# Altium PCB BMS_Slave_back.PcbDoc (part 2 of 2)
Units mil, origin at the board's own origin, x right, y up, seen from the top; angles counter-clockwise.
Board outline 10980 x 2910 mil, 5 copper layers (Top Layer, Mid-Layer 1, Layer 1, Layer 2, Bottom Layer), stack 37.756 mil thick; 359 components, 245 nets, 991 pads, 116 vias.
Unrouted connection lines stored in the file: 231.
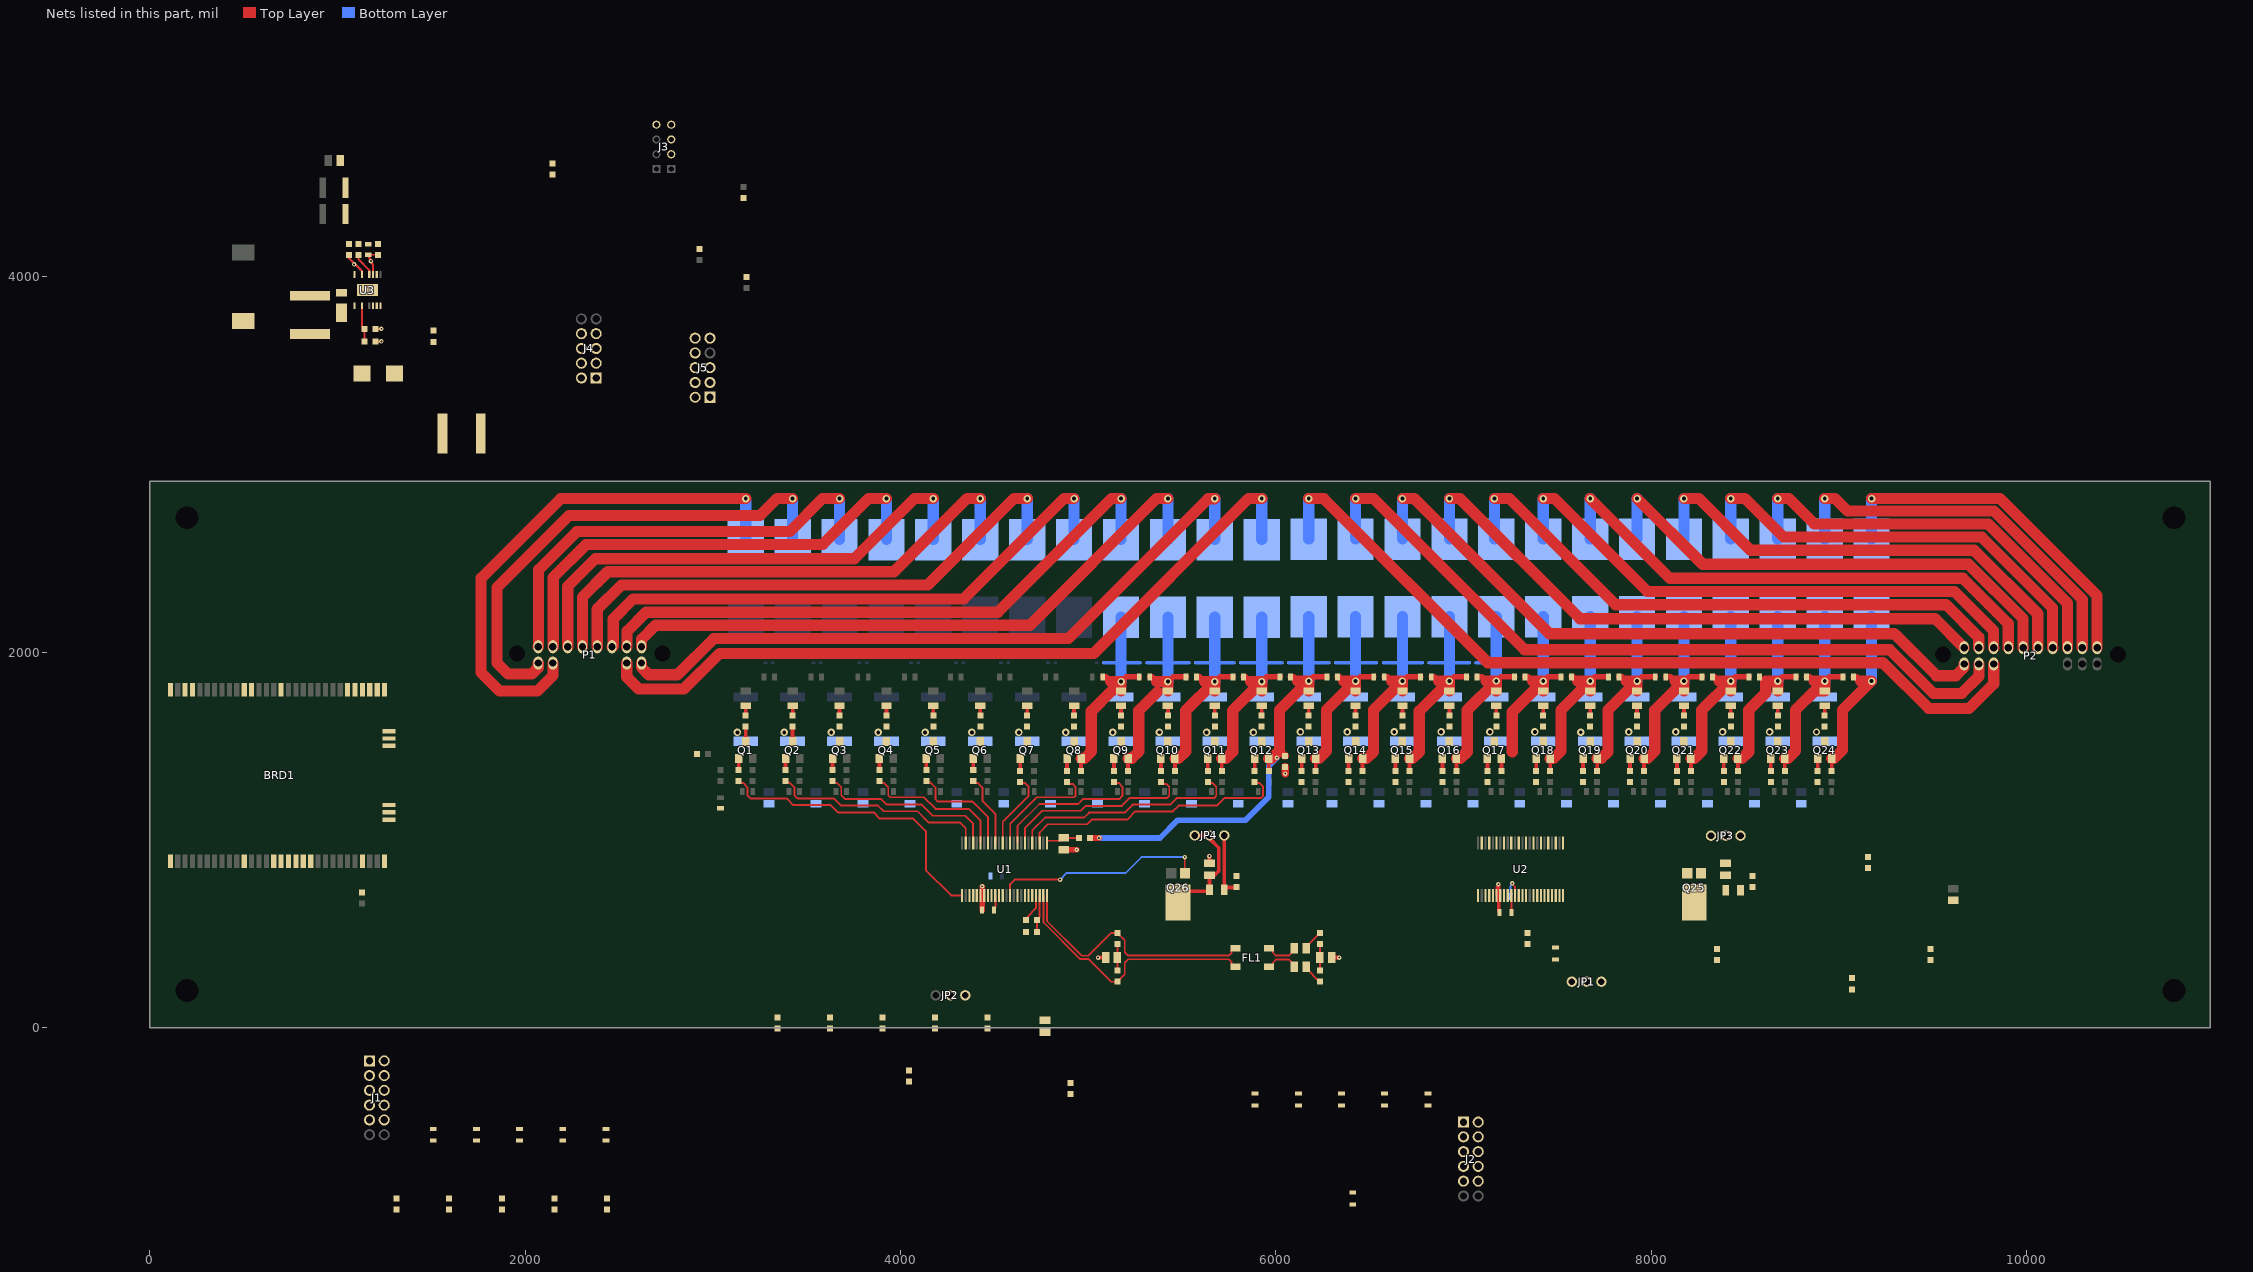
[diagram p4: the nets of this part, all layers, seen from the top]

## Via types
v1: diameter 39/40/40 (per signal layer), hole 20, Top Layer to Bottom Layer, 72 vias
v2: diameter 24, hole 10, Top Layer to Bottom Layer, 42 vias
v3: diameter 39/39/39 (per signal layer), hole 20, Top Layer to Bottom Layer, 1 vias
v4: diameter 39, hole 20, Top Layer to Bottom Layer, 1 vias

## Nets (pads, with @x,y where several pads share a name; then routed paths per layer and width w, separated by ;. In a path a pad name is that pad's centre, name@x,y a point inside that pad or via, vN(x,y) a via of type N, cw(c..) or ccw(c..) an arc to the next point about the centre after c; other vN are vias at no path point) (continued)
CELL8: C8.1 C9.2 D8.1 D9.2 D40.1 F9.2 Q8.2 R17.2 R84.2 | length 1300.4
  Top Layer w20: R17.2@4962.4,1368.16 Q8.2@4962.4,1433.39
  Top Layer w30: C8.1@5078,1868.66 5095,1868.66 5120,1843.66 ; v1(5175,1843.66) 5177.44,1843.66 5202.44,1868.66 C9.2@5272,1868.66
  Top Layer w60: Q8.2@4962.4,1433.39 4979.85,1433.39 5017,1470.53 5017,1685.66 5123.82,1792.48 ; 5120,1843.66 v1(5175,1843.66) D40.1@5175,1793.03
  Bottom Layer w20: D8.1@5084.69,1943.66 5175,1943.66 D9.2@5275,1943.66
  Bottom Layer w60: v1(5175,1843.66) 5175,1943.66 F9.2@5175,2186.97
CELL9: C9.1 C10.2 D9.1 D10.2 D39.1 F10.2 Q9.2 R19.2 R85.2 | length 1326.7
  Top Layer w20: R19.2@5212.4,1368.16 Q9.2@5212.4,1433.39
  Top Layer w30: C9.1@5328,1868.66 5340,1868.66 5365,1843.66 ; v1(5425,1843.66) 5427.44,1843.66 5452.44,1868.66 C10.2@5522,1868.66
  Top Layer w60: Q9.2@5212.4,1433.39 5231.72,1433.39 5270,1471.66 5270,1688.66 5370,1788.66 ; 5365,1843.66 v1(5425,1843.66) D39.1@5425,1793.03
  Bottom Layer w20: D9.1@5314.37,1943.66 5425,1943.66 D10.2@5535.31,1943.66
  Bottom Layer w60: v1(5425,1843.66) 5425,1943.66 F10.2@5425,2186.97
CELL10: C10.1 C11.2 D10.1 D11.2 D38.1 F11.2 Q10.2 R21.2 R86.2 | length 1346.7
  Top Layer w20: R21.2@5462.4,1368.16 Q10.2@5462.4,1433.39
  Top Layer w30: C10.1@5578,1868.66 5595,1868.66 5620,1843.66 ; 5702.44,1868.66 C11.2@5772,1868.66
  Top Layer w60: Q10.2@5462.4,1433.39 5481.72,1433.39 5520,1471.66 5520,1688.66 v1(5675,1843.66) ; 5620,1843.66 v1(5675,1843.66) ; D38.1@5675,1793.03 v1(5675,1843.66)
  Bottom Layer w20: D10.1@5574.69,1943.66 5675,1943.66 D11.2@5775.63,1943.66
  Bottom Layer w60: v1(5675,1843.66) 5675,1943.66 F11.2@5675,2186.97
CELL11: C11.1 C12.2 D11.1 D12.2 D37.1 F12.2 Q11.2 R23.2 R87.2 | length 1362.2
  Top Layer w20: R23.2@5712.4,1368.16 Q11.2@5712.4,1433.39
  Top Layer w30: C11.1@5828,1868.66 5840,1868.66 5865,1843.66 ; 5952.44,1868.66 C12.2@6022,1868.66
  Top Layer w60: Q11.2@5712.4,1433.39 5733.72,1433.39 5770,1469.66 5770,1688.66 v1(5925,1843.66) ; 5865,1843.66 v1(5925,1843.66) ; D37.1@5925,1793.03 v1(5925,1843.66)
  Bottom Layer w20: D11.1@5815,1943.66 5925,1943.66 D12.2@6030.31,1943.66
  Bottom Layer w60: v1(5925,1843.66) 5925,1943.66 F12.2@5925,2186.97
CELL12: C12.1 C13.2 D12.1 D13.2 D36.1 F13.2 Q12.2 R25.2 R63.2 R88.2 R101.2 R122.2 | length 2672.4
  Top Layer w20: R25.2@5962.4,1368.16 Q12.2@5962.4,1433.39
  Top Layer w30: R101.2@5009.27,1009.67 5009.75,1010.16 v2(5058,1010.16) ; C12.1@6078,1868.66 6095,1868.66 6117.5,1846.16 ; 6199.94,1868.66 C13.2@6272,1868.66
  Top Layer w40: 6020,1476.66 6048.5,1448.16 R63.2@6050,1448.16
  Top Layer w60: Q12.2@5962.4,1433.39 5976.72,1433.39 6020,1476.66 6020,1691.16 v1(6175,1846.16) ; 6117.5,1846.16 v1(6175,1846.16) ; D36.1@6175,1793.03 v1(6175,1846.16)
  Bottom Layer w20: D12.1@6069.69,1943.66 6175,1943.66 D13.2@6280.31,1943.66
  Bottom Layer w30: v2(5058,1010.16) 5382.5,1010.16 5477,1104.66 5838,1104.66 5963,1229.66 5963,1394.66 v2(6006,1437.66)
  Bottom Layer w60: v1(6175,1846.16) 6175,1943.66 F13.2@6175,2189.47
CELL13: C13.1 C14.2 D13.1 D14.2 D35.1 F14.2 Q13.2 R27.2 R89.2 | length 1366.1
  Top Layer w20: R27.2@6212.4,1368.16 Q13.2@6212.4,1433.39
  Top Layer w30: C13.1@6328,1868.66 6340,1868.66 6362.5,1846.16 ; 6449.94,1868.66 C14.2@6522,1868.66
  Top Layer w60: Q13.2@6212.4,1433.39 6228.72,1433.39 6270,1474.66 6270,1691.16 v1(6425,1846.16) ; 6362.5,1846.16 v1(6425,1846.16) ; D35.1@6425,1793.03 v1(6425,1846.16)
  Bottom Layer w20: D13.1@6319.69,1943.66 6425,1943.66 D14.2@6535.31,1943.66
  Bottom Layer w60: v1(6425,1846.16) 6425,1943.66 F14.2@6425,2189.47
CELL14: C14.1 C15.2 D14.1 D15.2 D34.1 F15.2 Q14.2 R29.2 R90.2 | length 1359
  Top Layer w20: R29.2@6462.4,1368.16 Q14.2@6462.4,1433.39
  Top Layer w30: C14.1@6578,1868.66 6595,1868.66 6617.5,1846.16 ; 6699.94,1868.66 C15.2@6772,1868.66
  Top Layer w60: Q14.2@6462.4,1433.39 6483.72,1433.39 6520,1469.66 6520,1691.16 v1(6675,1846.16) ; 6617.5,1846.16 v1(6675,1846.16) ; D34.1@6675,1793.03 v1(6675,1846.16)
  Bottom Layer w20: D14.1@6574.69,1943.66 6675,1943.66 D15.2@6780.31,1943.66
  Bottom Layer w60: v1(6675,1846.16) 6675,1943.66 F15.2@6675,2189.47
CELL15: C15.1 C16.2 D15.1 D16.2 D33.1 F16.2 Q15.2 R31.2 R91.2 | length 1356.1
  Top Layer w20: R31.2@6712.4,1368.16 Q15.2@6712.4,1433.39
  Top Layer w30: C15.1@6828,1868.66 6845,1868.66 6867.5,1846.16 ; 6949.94,1868.66 C16.2@7017,1868.66
  Top Layer w60: Q15.2@6712.4,1433.39 6728.72,1433.39 6765,1469.66 6765,1686.16 v1(6925,1846.16) ; 6867.5,1846.16 v1(6925,1846.16) ; D33.1@6925,1793.03 v1(6925,1846.16)
  Bottom Layer w20: D15.1@6819.69,1943.66 6925,1943.66 D16.2@7030.31,1943.66
  Bottom Layer w60: v1(6925,1846.16) 6925,1943.66 F16.2@6925,2189.47
CELL16: C16.1 C17.2 D16.1 D17.2 D32.1 F17.2 Q16.2 R33.2 R92.2 | length 1403.3
  Top Layer w20: R33.2@6962.4,1368.16 Q16.2@6962.4,1433.39
  Top Layer w30: C16.1@7073,1868.66 7098.82,1868.66 7121.32,1846.16 ; v4(7175,1846.16) 7177.44,1846.16 7199.94,1868.66 C17.2@7272,1868.66
  Top Layer w60: Q16.2@6962.4,1433.39 6983.72,1433.39 7020,1469.66 7020,1691.16 v4(7175,1846.16) ; 7121.32,1846.16 v4(7175,1846.16) ; D32.1@7175,1793.03 v4(7175,1846.16)
  Bottom Layer w20: D16.1@7069.69,1943.66 7175,1943.66 D17.2@7280.32,1943.66
  Bottom Layer w60: v4(7175,1846.16) 7175,1943.66 F17.2@7175,2189.47
CELL17: C17.1 C18.2 D17.1 D18.2 D31.1 F18.2 Q17.2 R35.2 R93.2 | length 1289.5
  Top Layer w20: R35.2@7202.4,1368.16 Q17.2@7202.4,1433.39
  Top Layer w30: C17.1@7328,1868.66 7345.91,1868.66 7368.41,1846.16 ; v1(7425,1846.16) 7427.44,1846.16 7449.94,1868.66 C18.2@7519.36,1868.66
  Top Layer w60: 7260,1469.66 7260,1681.16 7398.36,1819.52 ; 7368.41,1846.16 v1(7425,1846.16) 7425,1793.19 D31.1@7424.84,1793.03
  Bottom Layer w20: D17.1@7319.68,1943.66 7425,1943.66 D18.2@7530.32,1943.66
  Bottom Layer w60: v1(7425,1846.16) 7425,1943.66 F18.2@7425,2189.47
CELL18: C18.1 C19.2 D18.1 D19.2 D30.1 F19.2 Q18.2 R37.2 R94.2 | length 1364.3
  Top Layer w20: R37.2@7462.4,1368.16 Q18.2@7462.4,1433.39
  Top Layer w30: C18.1@7575.36,1868.66 7585,1868.66 7607.5,1846.16 ; 7699.94,1868.66 C19.2@7772,1868.66
  Top Layer w60: Q18.2@7462.4,1433.39 7479.72,1433.39 7520,1473.66 7520,1691.16 v1(7675,1846.16) ; 7607.5,1846.16 v1(7675,1846.16) ; D30.1@7675,1793.03 v1(7675,1846.16)
  Bottom Layer w20: D18.1@7569.68,1943.66 7675,1943.66 D19.2@7780.32,1943.66
  Bottom Layer w60: v1(7675,1846.16) 7675,1943.66 F19.2@7675,2189.47
CELL19: C19.1 C20.2 D19.1 D20.2 D29.1 F20.2 Q19.2 R39.2 R95.2 | length 1374
  Top Layer w20: R39.2@7712.4,1368.16 Q19.2@7712.4,1433.39
  Top Layer w30: C19.1@7828,1868.66 7845,1868.66 7867.5,1846.16 ; 7949.94,1868.66 C20.2@8022,1868.66
  Top Layer w60: Q19.2@7712.4,1433.39 7733.72,1433.39 7770,1469.66 7770,1691.16 v1(7925,1846.16) ; 7867.5,1846.16 v1(7925,1846.16) ; D29.1@7925,1793.03 v1(7925,1846.16)
  Bottom Layer w20: D19.1@7819.68,1943.66 7925,1943.66 D20.2@8040.32,1943.66
  Bottom Layer w60: v1(7925,1846.16) 7925,1943.66 F20.2@7925,2189.47
CELL20: C20.1 C21.2 D20.1 D21.2 D28.1 F21.2 Q20.2 R41.2 R96.2 | length 1351.7
  Top Layer w20: R41.2@7962.4,1368.16 Q20.2@7962.4,1433.39
  Top Layer w30: C20.1@8078,1868.66 8105,1868.66 8127.5,1846.16 ; 8199.94,1868.66 C21.2@8272,1868.66
  Top Layer w60: Q20.2@7962.4,1433.39 7979.72,1433.39 8020,1473.66 8020,1691.16 v1(8175,1846.16) ; 8127.5,1846.16 v1(8175,1846.16) ; D28.1@8175,1793.03 v1(8175,1846.16)
  Bottom Layer w20: D20.1@8079.68,1943.66 8175,1943.66 D21.2@8280.32,1943.66
  Bottom Layer w60: v1(8175,1846.16) 8175,1943.66 F21.2@8175,2189.47
CELL21: C21.1 C22.2 D21.1 D22.2 D27.1 F22.2 Q21.2 R43.2 R97.2 | length 1361.7
  Top Layer w20: R43.2@8212.4,1368.16 Q21.2@8212.4,1433.39
  Top Layer w30: C21.1@8328,1868.66 8340,1868.66 8362.5,1846.16 ; 8449.94,1868.66 C22.2@8522,1868.66
  Top Layer w60: Q21.2@8212.4,1433.39 8229.72,1433.39 8270,1473.66 8270,1691.16 v1(8425,1846.16) ; 8362.5,1846.16 v1(8425,1846.16) ; D27.1@8425,1793.03 v1(8425,1846.16)
  Bottom Layer w20: D21.1@8319.68,1943.66 8425,1943.66 D22.2@8530.32,1943.66
  Bottom Layer w60: v1(8425,1846.16) 8425,1943.66 F22.2@8425,2189.47
CELL22: C22.1 C23.2 D22.1 D23.2 D26.1 F23.2 Q22.2 R45.2 R98.2 | length 1329.5
  Top Layer w20: R45.2@8462.4,1368.16 Q22.2@8462.4,1433.39
  Top Layer w30: v1(8675,1846.16) 8677.44,1846.16 8699.94,1868.66 C23.2@8772,1868.66
  Top Layer w60: Q22.2@8462.4,1433.39 8483.72,1433.39 8520,1469.66 8520,1691.16 8610.91,1782.07 8610.91,1846.16 v1(8675,1846.16) D26.1@8675,1793.03
  Bottom Layer w20: D22.1@8569.68,1943.66 8675,1943.66 D23.2@8780.32,1943.66
  Bottom Layer w60: v1(8675,1846.16) 8675,1943.66 F23.2@8675,2189.47
CELL23: C23.1 C24.2 D23.1 D24.2 D25.1 F24.2 Q23.2 R47.2 R99.2 | length 1373.9
  Top Layer w20: R47.2@8712.4,1368.16 Q23.2@8712.4,1433.39
  Top Layer w30: C23.1@8828,1868.66 8845,1868.66 8867.5,1846.16 ; v1(8925,1846.16) 8927.44,1846.16 8949.94,1868.66 C24.2@9022,1868.66
  Top Layer w60: Q23.2@8712.4,1433.39 8729.72,1433.39 8770,1473.66 8770,1691.16 8871.87,1793.03 D25.1@8925,1793.03 v1(8925,1846.16) 8867.5,1846.16
  Bottom Layer w20: D23.1@8819.68,1943.66 8925,1943.66 D24.2@9030.32,1943.66
  Bottom Layer w60: v1(8925,1846.16) 8925,1943.66 F24.2@8925,2189.47
CELL24: C24.1 D24.1 D51.2 F25.2 Q24.2 R49.2 R100.2 R121.2 | length 1130.3
  Top Layer w20: R49.2@8962.4,1368.16 Q24.2@8962.4,1433.39
  Top Layer w30: C24.1@9078,1868.66 9095,1868.66 9117.5,1846.16
  Top Layer w60: Q24.2@8962.4,1433.39 8974.72,1433.39 9020,1478.66 9020,1691.16 v1(9175,1846.16) 9117.5,1846.16
  Bottom Layer w20: D24.1@9069.68,1943.66 9170,1943.66 9175,1948.66
  Bottom Layer w60: v1(9175,1846.16) 9175,1948.66 F25.2@9175,2189.47
CELL_UF_0: F1.1 P1.3 | length 2815.1
  Top Layer w60: P1.3@2147.52,1942.48 2147.52,1876.18 2065,1793.66 1862.68,1793.66 1765,1891.34 1765,2393.66 2190,2818.66 v1(3175,2818.66)
  Bottom Layer w60: F1.1@3175,2600.35 v1@3175,2803.66
CELL_UF_1: F2.1 P1.4 | length 2659.1
  Top Layer w60: P1.4@2068.78,1942.48 2068.78,1917.44 2035,1883.66 1908.82,1883.66 1850,1942.48 1850,2344.88 2233.78,2728.66 3251.34,2728.66 3341.34,2818.66 v1(3425,2818.66)
  Bottom Layer w60: F2.1@3425,2600.35 v1@3425,2803.66
CELL_UF_2: F3.1 P1.12 | length 2376.6
  Top Layer w60: P1.12@2068.78,2029.09 2070.16,2029.09 2070.16,2438.82 2275,2643.66 3410,2643.66 3585,2818.66 v1(3675,2818.66)
  Bottom Layer w60: F3.1@3675,2600.35 v1@3675,2803.66
CELL_UF_3: F4.1 P1.11 | length 2523.7
  Top Layer w60: P1.11@2147.52,2029.09 2148.9,2029.09 2148.9,2397.56 2325,2573.66 3585,2573.66 3830,2818.66 v1(3925,2818.66)
  Bottom Layer w60: F4.1@3925,2600.35 v1@3925,2803.66
CELL_UF_4: F5.1 P1.10 | length 2667
  Top Layer w60: P1.10@2226.26,2029.09 2226.26,2349.92 2375,2498.66 3755,2498.66 4075,2818.66 v1(4175,2818.66)
  Bottom Layer w60: F5.1@4175,2600.35 v1@4175,2803.66
CELL_UF_5: F6.1 P1.9 | length 2820.3
  Top Layer w60: P1.9@2305,2029.09 2305,2293.66 2440,2428.66 3965,2428.66 4355,2818.66 v1(4425,2818.66)
  Bottom Layer w60: F6.1@4425,2600.35 v1(4425,2818.66)
CELL_UF_6: F7.1 P1.8 | length 2954.3
  Top Layer w60: P1.8@2383.74,2029.09 2383.74,2229.92 2512.48,2358.66 4145,2358.66 4605,2818.66 v1(4675,2818.66)
  Bottom Layer w60: F7.1@4675,2600.35 v1(4675,2818.66)
CELL_UF_7: F8.1 P1.7 | length 3091.9
  Top Layer w60: P1.7@2462.48,2029.09 2463.86,2029.09 2468.86,2034.09 2468.86,2177.52 2575,2283.66 4336.4,2283.66 4871.4,2818.66 v1(4925,2818.66)
  Bottom Layer w60: F8.1@4925,2600.35 v1(4925,2818.66)
CELL_UF_8: F9.1 P1.6 | length 3227.3
  Top Layer w60: P1.6@2541.22,2029.09 2542.6,2029.09 2542.6,2111.3 2644.96,2213.66 4520,2213.66 5125,2818.66 v1(5175,2818.66)
  Bottom Layer w60: F9.1@5175,2600.35 v1(5175,2818.66)
CELL_UF_9: F10.1 P1.5 | length 3373.6
  Top Layer w60: P1.5@2619.96,2029.09 2619.96,2068.62 2695,2143.66 4690,2143.66 5365,2818.66 v1(5425,2818.66)
  Bottom Layer w60: F10.1@5425,2600.35 v1(5425,2818.66)
CELL_UF_10: F11.1 P1.1 | length 3701.9
  Top Layer w60: P1.1@2619.96,1942.48 2619.96,1918.7 2658.56,1880.1 2811.44,1880.1 3005,2073.66 4895,2073.66 5638.8,2817.46 5673.8,2817.46 v1(5675,2818.66)
  Bottom Layer w60: F11.1@5675,2600.35 v1(5675,2818.66)
CELL_UF_11: F12.1 P1.2 | length 4124
  Top Layer w60: P1.2@2541.22,1942.48 2541.22,1867.44 2605,1803.66 2845,1803.66 3035,1993.66 5030,1993.66 5855,2818.66 v1(5925,2818.66)
  Bottom Layer w60: F12.1@5925,2600.35 v1(5925,2818.66)
CELL_UF_12: F13.1 P2.4 | length 4490.4
  Top Layer w60: v1(6175,2818.66) 6255,2818.66 7130,1943.66 9236.34,1943.66 9480,1700 9694.55,1700 9825.43,1830.88 P2.4@9825.43,1937.48
  Bottom Layer w60: F13.1@6175,2602.85 v1(6175,2818.66)
CELL_UF_13: F14.1 P2.5 | length 4071.5
  Top Layer w60: v1(6425,2818.66) 6520,2818.66 7325,2013.66 9271.34,2013.66 9505,1780 9655,1780 9746.69,1871.69 P2.5@9746.69,1937.48
  Bottom Layer w60: F14.1@6425,2602.85 v1(6425,2818.66)
CELL_UF_14: F15.1 P2.6 | length 3637
  Top Layer w60: v1(6675,2818.66) 6737.48,2818.66 7457.48,2098.66 9296.34,2098.66 9520,1875 9625,1875 9667.95,1917.95 P2.6@9667.95,1937.48
  Bottom Layer w60: F15.1@6675,2602.85 v1(6675,2818.66)
CELL_UF_15: F16.1 P2.16 | length 3287.9
  Top Layer w60: v1(6925,2818.66) 6980,2818.66 7620,2178.66 9513.39,2178.66 P2.16@9667.95,2024.09
  Bottom Layer w60: F16.1@6925,2602.85 v1(6925,2818.66)
CELL_UF_16: F17.1 P2.15 | length 3159.4
  Top Layer w60: v1(7165,2818.66) 7245,2818.66 7810,2253.66 9571.65,2253.66 9745.31,2080 9745.31,2024.09 P2.15@9746.69,2024.09
  Bottom Layer w60: F17.1@7165,2602.85 v1(7165,2818.66)
CELL_UF_17: F18.1 P2.14 | length 2999.3
  Top Layer w60: v1(7425,2818.66) 7485,2818.66 7980,2323.66 9616.65,2323.66 9824.05,2116.26 9824.05,2024.09 P2.14@9825.43,2024.09
  Bottom Layer w60: F18.1@7425,2602.85 v1(7425,2818.66)
CELL_UF_18: F19.1 P2.13 | length 2849.3
  Top Layer w60: v1(7675,2818.66) 8100,2393.66 9661.65,2393.66 9902.79,2152.52 9902.79,2024.09 P2.13@9904.17,2024.09
  Bottom Layer w60: F19.1@7675,2602.85 v1(7675,2818.66)
CELL_UF_19: F20.1 P2.12 | length 2693.5
  Top Layer w60: v1(7925,2818.66) 8275,2468.66 9691.65,2468.66 9981.53,2178.78 9981.53,2024.09 P2.12@9982.91,2024.09
  Bottom Layer w60: F20.1@7925,2602.85 v1(7925,2818.66)
CELL_UF_20: F21.1 P2.11 | length 2537.6
  Top Layer w60: v1(8175,2818.66) 8255,2818.66 8530,2543.66 9721.65,2543.66 10060.27,2205.04 10060.27,2024.09 P2.11@10061.65,2024.09
  Bottom Layer w60: F21.1@8175,2602.85 v1(8175,2818.66)
CELL_UF_21: F22.1 P2.10 | length 2383.8
  Top Layer w60: v1(8425,2818.66) 8500,2818.66 8705,2613.66 9761.65,2613.66 10139.28,2236.03 10139.28,2025.21 P2.10@10140.39,2024.09
  Bottom Layer w60: F22.1@8425,2602.85 v1(8425,2818.66)
CELL_UF_22: F23.1 P2.9 | length 2227.9
  Top Layer w60: v1(8675,2818.66) 8735,2818.66 8870,2683.66 9796.65,2683.66 10219.13,2261.18 P2.9@10219.13,2024.09
  Bottom Layer w60: F23.1@8675,2602.85 v1(8675,2818.66)
CELL_UF_23: F24.1 P2.8 | length 2068.5
  Top Layer w60: v1(8925,2818.66) 8980,2818.66 9046,2752.66 9826.65,2752.66 10297.87,2281.44 P2.8@10297.87,2024.09
  Bottom Layer w60: F24.1@8925,2602.85 v1(8925,2818.66)
CELL_UF_24: F25.1 P2.7 | length 1909.2
  Top Layer w60: v1(9175,2818.66) 9859.64,2818.66 10376.61,2301.69 P2.7@10376.61,2024.09
  Bottom Layer w60: F25.1@9175,2602.85 v1(9175,2818.66)
CLK: BRD1.41 J3.B2 U1.42
FLASH_P_ENn: BRD1.51 J5.2
GNDA: BRD1.1 BRD1.11 BRD1.20 BRD1.30 BRD1.34 BRD1.37 BRD1.42 BRD1.56 BRD1.66 C25.2 C26.2 C27.2 C28.2 C29.2 C30.2 C31.2 C32.2 C33.2 C34.2 C35.2 C36.2 C49.2 C51.2 C53.2 C55.2 C57.2 C59.2 C61.2 C63.2 C65.2 C66.2 C68.2 C70.2 C74.2 C75.2 C76.2 C101.2 C102.2 C103.2 J2.1 J2.3 J2.5 J2.7 J2.9 J3.A4 J4.2 J4.5 J4.7 J5.8 JP2.3 R50.1 R118.2 R129.1 R130.1 R133.1 R134.1 U1.30 U1.31 U1.40 U3.7 U3.8 U3.17 | length 377.4
  Top Layer w10: U1.30@4426.46,703.9 4426.57,704.02 4426.57,744.33 v2(4435,752.76) 4435,748.97 4435.68,748.29 4445.24,738.73 4445.24,704.8 U1.31@4446.14,703.9
  Top Layer w20: v2(5053,373.08) C65.2@5093.01,373.08 ; C70.2@5646.52,875.16 v2(5646.52,913.66)
  Top Layer w30: C63.2@4435,625.66 4435.68,626.34 4435.68,748.29 4435.68,748.86 v2@4435.28,749.25 ; C51.2@4870,947.17 v2(4939,947.17)
GNDB: C37.2 C38.2 C39.2 C40.2 C41.2 C42.2 C43.2 C44.2 C45.2 C46.2 C47.2 C48.2 C50.2 C52.2 C54.2 C56.2 C58.2 C60.2 C62.2 C64.2 C67.2 C69.2 C71.2 J1.1 J1.3 J1.5 J1.7 J1.9 JP1.3 R63.1 R114.2 R115.2 R117.2 U2.30 U2.31 | length 287.5
  Top Layer w10: U2.30@7176.46,703.9 7176.46,750.19 7187.25,760.98 v2@7188.82,760.98 ; C62.2@7188.82,617.05 C62.2@7192.21,613.66
  Top Layer w18: C62.2@7188.82,617.05 v2@7188.82,760.98
  Top Layer w20: C71.2@6297.99,373.08 v2(6338,373.08)
  Top Layer w40: v2(6050,1353.5) R63.1@6050,1389.16
  other v2: 7186.14,763.66
IPCS_MISO: BRD1.33 J5.5
IPCS_MOSI: BRD1.35 J5.4
IPCS_SCK: BRD1.36 J5.3
IPCS_SSn: BRD1.39 J5.1
ISO_SPI_BOTTOM_N: FL1.2 R120.1 U1.47 | length 1407.5
  Top Layer w10: U1.47@4761.1,703.9 4761.88,703.12 4761.88,663.08 4761.95,663.02 4761.95,560.26 4957.88,364.32 5002.34,364.32 5122.5,244.16 R120.1@5156,244.16 5195,283.16 5195,345.66 5213,363.66 5748.56,363.66 5762.95,349.27 5762.95,336.58 5775.67,323.87 FL1.2@5784.53,323.87
ISO_SPI_BOTTOM_P: FL1.1 R119.1 U1.48 | length 1377.5
  Top Layer w10: U1.48@4780.79,703.9 4780.01,703.12 4780.01,663.08 4779.95,663.02 4779.95,567.72 4965.34,382.32 4999.66,382.32 5120.5,503.16 R119.1@5156,503.16 5195,464.16 5195,401.66 5213,383.66 5749.72,383.66 5762.95,396.89 5762.95,409.58 5775.67,422.29 FL1.1@5784.53,422.29
ISO_SPI_MED_N: C73.2 FL1.3 | length 177.6
  Top Layer w10: FL1.3@5963.66,323.87 5972.28,323.87 5985,336.58 5985,345.21 6002.87,363.08 6068.15,363.08 6098.5,332.73 C73.2@6098.5,323.87
ISO_SPI_MED_P: C72.2 FL1.4 | length 179
  Top Layer w10: FL1.4@5963.66,422.29 5972.52,422.29 5985,409.81 5985,398.66 6000.58,383.08 6068.15,383.08 6098.5,413.43 C72.2@6098.5,422.29
ISO_SPI_TOP_N: C73.1 R124.1 U2.41 | length 111.7
  Top Layer w10: C73.1@6161.5,323.87 6161.5,315.01 6232.34,244.16 R124.1@6235,244.16
ISO_SPI_TOP_P: C72.1 R123.2 U2.42 | length 112.2
  Top Layer w10: C72.1@6161.5,422.29 6161.5,431.15 6222.51,492.16 6224,492.16 R123.2@6235,503.16
MISO: BRD1.38 J3.B4 R125.1 U1.44
MOSI: BRD1.40 J3.B3 U1.43
NetBRD1_27: BRD1.27 R126.2
NetBRD1_55: BRD1.55 R136.2
NetBRD1_63: BRD1.63 R135.2
NetBRD1_64: BRD1.64 R134.2
NetC50_1: C50.1 R100.1 U2.1
NetC51_1: C51.1 R101.1 U1.1 | length 187
  Top Layer w10: U1.1@4780.79,983.43 4780.79,994.17 4781.69,995.08 4854.92,995.08 C51.1@4870,1010.16 4870.49,1009.67 R101.1@4950.27,1009.67
NetC52_1: C52.1 J1.10 R102.1 U2.33
NetC53_1: C53.1 J2.10 R103.1 U1.33
NetC54_1: C54.1 J1.8 R104.1 U2.32
NetC55_1: C55.1 J2.8 R105.1 U1.32
NetC56_1: C56.1 J1.6 R106.1 U2.29
NetC57_1: C57.1 J2.6 R107.1 U1.29
NetC58_1: C58.1 J1.4 R108.1 U2.28
NetC59_1: C59.1 J2.4 R109.1 U1.28
NetC60_1: C60.1 J1.2 R110.1 U2.27
NetC61_1: C61.1 J2.2 R111.1 U1.27
NetC62_1: C62.1 R102.2 R104.2 R106.2 R108.2 R110.2 U2.34 | length 90.2
  Top Layer w10: C62.1@7255.2,613.66 U2.34@7255.2,703.9
NetC63_1: C63.1 R103.2 R105.2 R107.2 R109.2 R111.2 U1.34 | length 81.2
  Top Layer w10: C63.1@4497.99,625.66 4497.99,633.54 4505.2,640.74 U1.34@4505.2,703.9
NetC64_1: C64.1 U2.35 | length 142.2
  Top Layer w10: v2(7260,767.52) 7260,763.73 7274.88,748.85 U2.35@7274.88,703.9